# Altium PCB S6.PcbDoc (part 12 of 14)
Units mil, origin at the board's own origin, x right, y up, seen from the top; angles counter-clockwise.
Board outline 5250 x 2929.55 mil, 6 copper layers (Top Layer, Mid-Layer 2, Mid-Layer 4, Mid-Layer 3, Mid-Layer 1, Bottom Layer); 345 components, 365 nets, 2233 pads, 960 vias.
Unrouted connection lines stored in the file: 1.
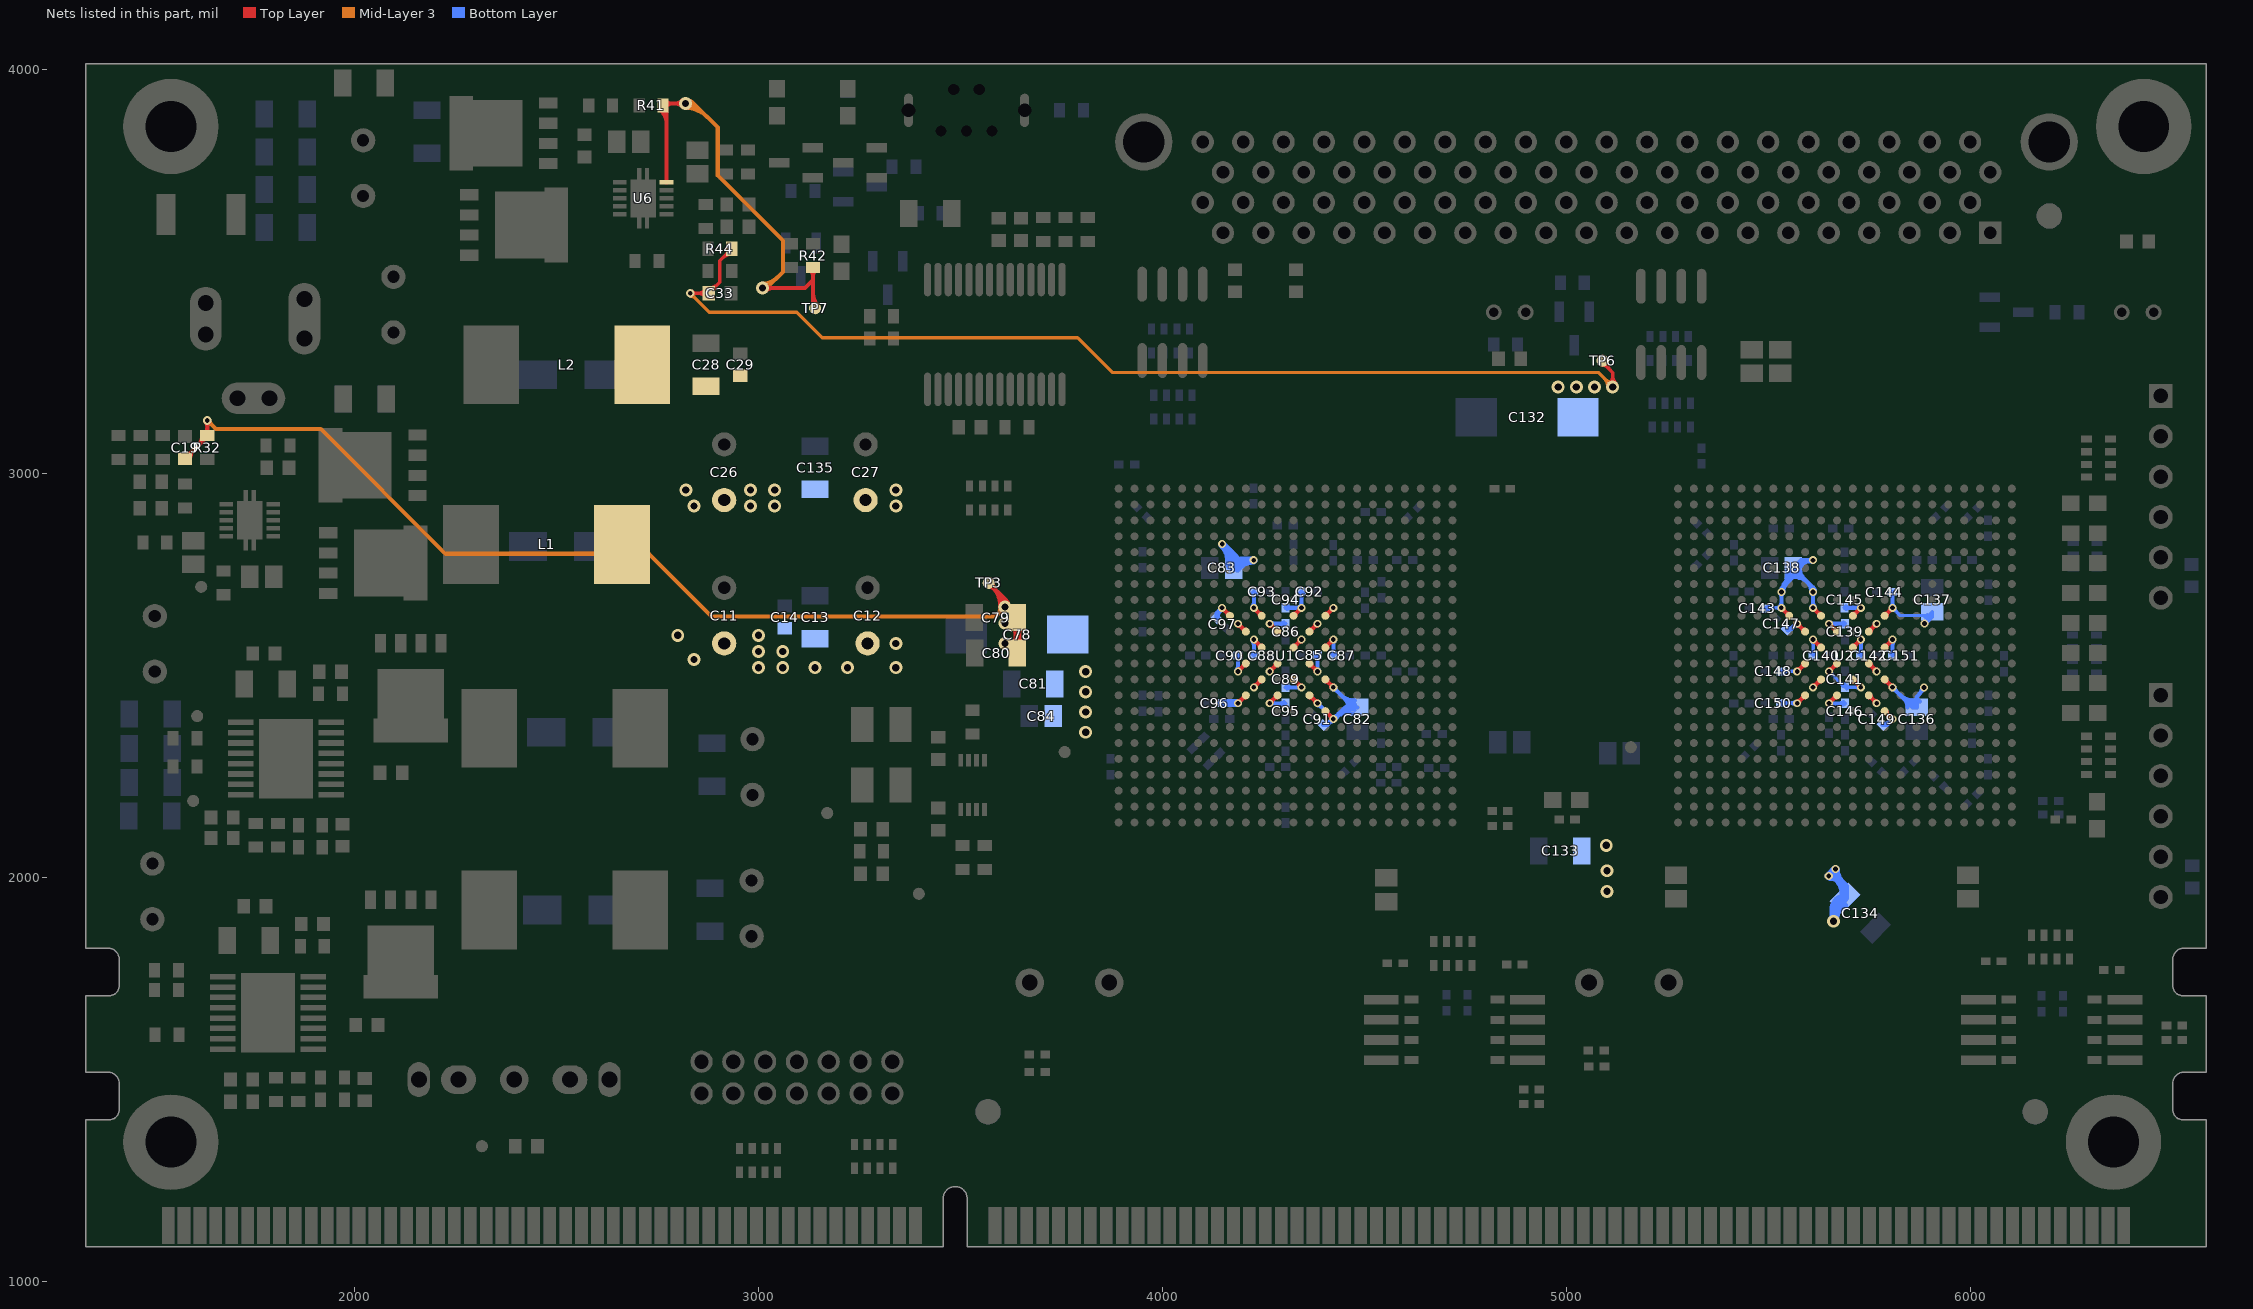
[diagram p16: the nets of this part, all layers, seen from the top]

## Via types
v1: diameter 19.68, hole 11.81, Top Layer to Bottom Layer, tented both sides, 469 vias
v2: diameter 32, hole 18, Top Layer to Bottom Layer, tented both sides, 257 vias
v3: diameter 22, hole 12, Top Layer to Bottom Layer, tented both sides, 185 vias
v4: diameter 25.59, hole 12.99, Top Layer to Bottom Layer, tented bottom, 16 vias
v5: diameter 50, hole 28, Top Layer to Bottom Layer, tented both sides, 15 vias
v6: diameter 23.62, hole 11.81, Top Layer to Bottom Layer, tented bottom, 10 vias
v7: diameter 20, hole 12, Top Layer to Bottom Layer, tented both sides, 5 vias
v8: diameter 21.65, hole 11.81, Top Layer to Bottom Layer, tented both sides, 2 vias
v9: diameter 39.37, hole 39.37, Top Layer to Bottom Layer, 1 vias

## Nets (pads, with @x,y where several pads share a name; then routed paths per layer and width w, separated by ;. In a path a pad name is that pad's centre, name@x,y a point inside that pad or via, vN(x,y) a via of type N, cw(c..) or ccw(c..) an arc to the next point about the centre after c; other vN are vias at no path point) (continued)
VCCINT1V2_A: C11.1 C12.1 C13.2 C14.2 C19.2 C78.1 C79.2 C80.2 C81.2 C82.2 C83.2 C84.2 C85.2 C86.2 C87.2 C88.2 C89.2 C90.2 C91.2 C92.2 C93.2 C94.2 C95.2 C96.2 C97.2 L1.2 R32.1 TP3.1 U1.J8 U1.J10 U1.J12 U1.J14 U1.K9 U1.K11 U1.K13 U1.L10 U1.L12 U1.L14 U1.M9 U1.M11 U1.M13 U1.N10 U1.N12 U1.N14 U1.P9 U1.P11 U1.P13 U1.R14 | length 6019.2
  Top Layer w10: C19.2@1580,3037.44 1635,3092.44 R32.1@1635,3094.53 v8(1635,3132) ; C19.2@1581.97,3048.19 ccw(c1581.97,3069.38) 1596.96,3054.4 ; C19.2@1592.72,3037.44 cw(c1623.42,3037.44) 1601.71,3059.15 ; 1611.82,3069.26 ccw(c1586.55,3094.53) R32.1@1622.28,3094.53 ; R32.1@1628.79,3100.74 ccw(c1613.8,3115.72) 1635,3115.72 ccw(c1656.2,3115.72) R32.1@1641.21,3100.74 ; v8@1630.88,3127.88 cw(c1620.93,3117.93) 1635,3117.93 cw(c1649.07,3117.93) v8@1639.12,3127.88 ; TP3.1@3570,2720 cw(c3570,2695.86) 3587.07,2712.93 cw(c3604.14,2730) TP3.1@3580,2730 ; TP3.1@3570,2730 3610,2690 ; TP3.1@3577.08,2722.92 cw(c3524.16,2670) v2@3599,2670 ; 3594.15,2705.85 cw(c3558.3,2670) v2@3609,2670 ; v2@3604.11,2679.29 ccw(c3597.32,2690) 3610,2690 ; v2(3610,2670) 3610,2690 ; 3611.22,2688.78 cw(c3592.44,2670) C79.2@3619,2670 ; v2@3615.89,2679.29 cw(c3622.68,2690) 3610,2690 ; v1@4147.52,2663.27 cw(c4147.52,2651.58) 4155.79,2659.84 cw(c4164.05,2668.11) v1@4152.36,2668.11 ; v1(4147.52,2668.11) U1.J8@4167.2,2648.43 ; U1.J8@4162.36,2648.43 ccw(c4150.67,2648.43) 4158.94,2656.69 ccw(c4167.2,2664.96) U1.J8@4167.2,2653.27 ; v1(4186.89,2431.89) U1.P9@4206.57,2451.57 ; v1@4186.89,2436.73 ccw(c4186.89,2448.42) 4195.16,2440.16 ccw(c4203.42,2431.89) v1@4191.73,2431.89 ; v1(4186.89,2510.63) U1.M9@4206.57,2530.32 ; v1@4186.89,2515.47 ccw(c4186.89,2527.16) 4195.16,2518.9 ccw(c4203.42,2510.63) v1@4191.73,2510.63 ; v1@4186.89,2623.9 cw(c4186.89,2612.21) 4195.16,2620.47 cw(c4203.42,2628.74) v1@4191.73,2628.74 ; v1(4186.89,2628.74) U1.K9@4206.57,2609.06 ; U1.P9@4201.73,2451.57 cw(c4190.04,2451.57) 4198.31,2443.31 cw(c4206.57,2435.04) U1.P9@4206.57,2446.73 ; U1.M9@4201.73,2530.32 cw(c4190.04,2530.32) 4198.31,2522.05 cw(c4206.57,2513.78) U1.M9@4206.57,2525.47 ; U1.K9@4201.73,2609.06 ccw(c4190.04,2609.06) 4198.31,2617.32 ccw(c4206.57,2625.59) U1.K9@4206.57,2613.9 ; v1(4226.26,2471.26) U1.N10@4245.94,2490.95 ; v1@4226.26,2476.1 ccw(c4226.26,2487.79) 4234.53,2479.53 ccw(c4242.79,2471.26) v1@4231.1,2471.26 ; v1@4226.26,2584.53 cw(c4226.26,2572.84) 4234.53,2581.1 cw(c4242.79,2589.37) v1@4231.1,2589.37 ; v1(4226.26,2589.37) U1.L10@4245.94,2569.69 ; v1@4226.26,2663.27 cw(c4226.26,2651.58) 4234.53,2659.84 cw(c4242.79,2668.11) v1@4231.1,2668.11 ; v1(4226.26,2668.11) U1.J10@4245.94,2648.43 ; U1.N10@4241.1,2490.95 cw(c4229.41,2490.95) 4237.68,2482.68 cw(c4245.94,2474.41) U1.N10@4245.94,2486.1 ; U1.L10@4241.1,2569.69 ccw(c4229.41,2569.69) 4237.68,2577.95 ccw(c4245.94,2586.22) U1.L10@4245.94,2574.53 ; U1.J10@4241.1,2648.43 ccw(c4229.41,2648.43) 4237.68,2656.69 ccw(c4245.94,2664.96) U1.J10@4245.94,2653.27 ; v1(4265.63,2431.89) U1.P11@4285.31,2451.57 ; v1@4265.63,2436.73 ccw(c4265.63,2448.42) 4273.9,2440.16 ccw(c4282.16,2431.89) v1@4270.47,2431.89 ; v1(4265.63,2510.63) U1.M11@4285.31,2530.32 ; v1@4265.63,2515.47 ccw(c4265.63,2527.16) 4273.9,2518.9 ccw(c4282.16,2510.63) v1@4270.47,2510.63 ; v1@4265.63,2623.9 cw(c4265.63,2612.21) 4273.9,2620.47 cw(c4282.16,2628.74) v1@4270.47,2628.74 ; v1(4265.63,2628.74) U1.K11@4285.31,2609.06 ; U1.P11@4280.47,2451.57 cw(c4268.78,2451.57) 4277.05,2443.31 cw(c4285.31,2435.04) U1.P11@4285.31,2446.73 ; U1.M11@4280.47,2530.32 cw(c4268.78,2530.32) 4277.05,2522.05 cw(c4285.31,2513.78) U1.M11@4285.31,2525.47 ; U1.K11@4280.47,2609.06 ccw(c4268.78,2609.06) 4277.05,2617.32 ccw(c4285.31,2625.59) U1.K11@4285.31,2613.9 ; U1.N12@4324.69,2486.1 cw(c4324.69,2474.41) 4332.95,2482.68 cw(c4341.22,2490.95) U1.N12@4329.53,2490.95 ; U1.N12@4324.69,2490.95 v1(4344.37,2471.26) ; U1.L12@4324.69,2569.69 v1(4344.37,2589.37) ; U1.L12@4324.69,2574.53 ccw(c4324.69,2586.22) 4332.95,2577.95 ccw(c4341.22,2569.69) U1.L12@4329.53,2569.69 ; U1.J12@4324.69,2648.43 v1(4344.37,2668.11) ; U1.J12@4324.69,2653.27 ccw(c4324.69,2664.96) 4332.95,2656.69 ccw(c4341.22,2648.43) U1.J12@4329.53,2648.43 ; v1@4339.53,2471.26 ccw(c4327.84,2471.26) 4336.1,2479.53 ccw(c4344.37,2487.79) v1@4344.37,2476.1 ; v1@4339.53,2589.37 cw(c4327.84,2589.37) 4336.1,2581.1 cw(c4344.37,2572.84) v1@4344.37,2584.53 ; v1@4339.53,2668.11 cw(c4327.84,2668.11) 4336.1,2659.84 cw(c4344.37,2651.58) v1@4344.37,2663.27 ; U1.P13@4364.06,2446.73 cw(c4364.06,2435.04) 4372.32,2443.31 cw(c4380.59,2451.57) U1.P13@4368.9,2451.57 ; U1.P13@4364.06,2451.57 v1(4383.74,2431.89) ; U1.M13@4364.06,2525.47 cw(c4364.06,2513.78) 4372.32,2522.05 cw(c4380.59,2530.32) U1.M13@4368.9,2530.32 ; U1.M13@4364.06,2530.32 v1(4383.74,2510.63) ; U1.K13@4364.06,2609.06 v1(4383.74,2628.74) ; U1.K13@4364.06,2613.9 ccw(c4364.06,2625.59) 4372.32,2617.32 ccw(c4380.59,2609.06) U1.K13@4368.9,2609.06 ; v1@4378.9,2431.89 ccw(c4367.21,2431.89) 4375.47,2440.16 ccw(c4383.74,2448.42) v1@4383.74,2436.73 ; v1@4378.9,2510.63 ccw(c4367.21,2510.63) 4375.47,2518.9 ccw(c4383.74,2527.16) v1@4383.74,2515.47 ; v1@4378.9,2628.74 cw(c4367.21,2628.74) 4375.47,2620.47 cw(c4383.74,2612.21) v1@4383.74,2623.9 ; U1.R14@4403.43,2407.36 cw(c4403.43,2395.67) 4411.69,2403.94 cw(c4419.96,2412.2) U1.R14@4408.27,2412.2 ; U1.R14@4403.43,2412.2 v1(4423.11,2392.52) ; U1.N14@4403.43,2486.1 cw(c4403.43,2474.41) 4411.69,2482.68 cw(c4419.96,2490.95) U1.N14@4408.27,2490.95 ; U1.N14@4403.43,2490.95 v1(4423.11,2471.26) ; U1.L14@4403.43,2569.69 v1(4423.11,2589.37) ; U1.L14@4403.43,2574.53 ccw(c4403.43,2586.22) 4411.69,2577.95 ccw(c4419.96,2569.69) U1.L14@4408.27,2569.69 ; U1.J14@4403.43,2648.43 v1(4423.11,2668.11) ; U1.J14@4403.43,2653.27 ccw(c4403.43,2664.96) 4411.69,2656.69 ccw(c4419.96,2648.43) U1.J14@4408.27,2648.43 ; v1@4418.27,2392.52 ccw(c4406.58,2392.52) 4414.84,2400.79 ccw(c4423.11,2409.05) v1@4423.11,2397.36 ; v1@4418.27,2471.26 ccw(c4406.58,2471.26) 4414.84,2479.53 ccw(c4423.11,2487.79) v1@4423.11,2476.1 ; v1@4418.27,2589.37 cw(c4406.58,2589.37) 4414.84,2581.1 cw(c4423.11,2572.84) v1@4423.11,2584.53 ; v1@4418.27,2668.11 cw(c4406.58,2668.11) 4414.84,2659.84 cw(c4423.11,2651.58) v1@4423.11,2663.27
  Top Layer w20: C79.2@3631.91,2623.95 cw(c3609.6,2601.64) 3641.15,2601.64 ; C80.2@3632.91,2576.05 ccw(c3613.02,2595.95) 3641.15,2595.95 ccw(c3669.28,2595.95) C80.2@3649.39,2576.05 ; C80.2@3641.15,2556 C79.2@3641.15,2643 ; 3641.15,2606.47 cw(c3665.87,2606.47) C79.2@3648.39,2623.95
  Mid-Layer 3 w10: v8@1635,3126.17 cw(c1635,3112.11) 1644.95,3122.05 cw(c1654.89,3132) v8@1640.83,3132 ; v8(1635,3132) 1656,3111 1916,3111 2225,2802 2729,2802 2884,2647 3587,2647 v2(3610,2670) ; v2@3599,2670 cw(c3572.44,2670) 3591.22,2651.22 cw(c3610,2632.44) v2@3610,2659
  Bottom Layer w10: C97.2@4134.08,2641.92 4134.08,2654.67 v1(4147.52,2668.11) ccw(c4171.64,2643.99) C97.2@4137.53,2643.4 ; v1@4142.68,2668.11 cw(c4130.99,2668.11) 4139.25,2659.84 cw(c4147.52,2651.58) v1@4147.52,2663.27 ; v1@4142.84,2666.86 cw(c4131.55,2663.83) 4141.67,2657.99 cw(c4151.8,2652.14) v1@4148.77,2663.43 ; C90.2@4183.26,2546.58 cw(c4174.5,2537.82) 4186.89,2537.82 ; v1@4183.46,2514.05 ccw(c4175.2,2522.32) 4186.89,2522.32 ccw(c4198.58,2522.32) v1@4190.31,2514.05 ; C90.2@4186.69,2550 4186.89,2549.8 v1(4186.89,2510.63) ; 4186.89,2538.8 cw(c4197.88,2538.8) C90.2@4190.11,2546.58 ; v1@4222.83,2585.95 cw(c4214.43,2577.55) 4226.31,2577.55 ; v1@4222.83,2671.54 ccw(c4214.43,2679.94) 4226.31,2679.94 ; C88.2@4222.89,2553.42 ccw(c4214.62,2561.69) 4226.31,2561.69 ccw(c4238.01,2561.69) C88.2@4229.74,2553.42 ; C93.2@4222.89,2704.58 cw(c4214.62,2696.31) 4226.31,2696.31 cw(c4238.01,2696.31) C93.2@4229.74,2704.58 ; v1(4226.26,2589.37) 4226.31,2589.32 C88.2@4226.31,2550 ; v1(4226.26,2668.11) 4226.31,2668.17 C93.2@4226.31,2708 ; 4226.31,2577.82 cw(c4237.81,2577.82) v1@4229.68,2585.95 ; 4226.31,2679.67 ccw(c4237.81,2679.67) v1@4229.68,2671.54 ; v1(4265.63,2431.89) 4265.83,2431.69 C95.2@4305,2431.69 ; v1(4265.63,2628.74) 4265.69,2628.69 C86.2@4305,2628.69 ; v1@4269.05,2428.46 cw(c4276.83,2420.69) 4276.83,2431.69 ; v1@4269.05,2435.31 ccw(c4277.81,2444.07) 4277.81,2431.69 ; v1@4269.05,2625.32 cw(c4277.18,2617.19) 4277.18,2628.69 ; v1@4269.05,2632.17 ccw(c4277.46,2640.57) 4277.46,2628.69 ; C95.2@4301.58,2428.26 ccw(c4293.31,2419.99) 4293.31,2431.69 ccw(c4293.31,2443.38) C95.2@4301.58,2435.11 ; C86.2@4301.58,2625.26 ccw(c4293.31,2616.99) 4293.31,2628.69 ccw(c4293.31,2640.38) C86.2@4301.58,2632.11 ; C89.2@4305,2471.31 4344.32,2471.31 v1(4344.37,2471.26) ; C94.2@4305,2668.31 v1@4344.17,2668.31 ; C89.2@4308.42,2467.89 cw(c4316.69,2459.62) 4316.69,2471.31 cw(c4316.69,2483.01) C89.2@4308.42,2474.74 ; C94.2@4308.42,2664.89 cw(c4316.69,2656.62) 4316.69,2668.31 cw(c4316.69,2680.01) C94.2@4308.42,2671.74 ; 4332.19,2668.31 cw(c4332.19,2655.93) v1@4340.95,2664.69 ; 4332.55,2471.31 cw(c4332.55,2459.43) v1@4340.95,2467.83 ; 4332.82,2471.31 ccw(c4332.82,2482.81) v1@4340.95,2474.68 ; 4333.17,2668.31 ccw(c4333.17,2679.31) 4340.95,2671.54 ccw(c4332.82,2679.67) 4344.31,2679.67 ; C92.2@4340.89,2704.58 cw(c4332.62,2696.31) 4344.31,2696.31 cw(c4356.01,2696.31) C92.2@4347.74,2704.58 ; 4344.31,2679.94 ccw(c4356.2,2679.94) v1@4347.8,2671.54 ; C92.2@4344.31,2708 4344.31,2668.46 v1@4344.17,2668.31 ; v1(4344.37,2668.11) v1@4344.17,2668.31 ; C85.2@4380.26,2547.58 cw(c4371.99,2539.31) 4383.69,2539.31 cw(c4395.38,2539.31) C85.2@4387.11,2547.58 ; v1@4380.32,2514.05 ccw(c4372.19,2522.18) 4383.69,2522.18 ; 4383.69,2522.45 ccw(c4395.57,2522.45) v1@4387.17,2514.05 ; C85.2@4383.69,2551 4383.69,2510.68 v1(4383.74,2510.63) ; v1@4383.74,2427.05 cw(c4383.74,2415.36) 4392.01,2423.62 cw(c4400.27,2431.89) v1@4388.58,2431.89 ; v1(4383.74,2431.89) v1(4423.11,2392.52) ; C91.2@4397.92,2378.08 4408.67,2378.08 v1(4423.11,2392.52) ; C91.2@4399.31,2381.53 ccw(c4399.31,2412.46) v1@4421.18,2390.59 ; 4411.86,2385.21 ccw(c4404.81,2397.42) v1@4418.43,2393.77 ; 4414.82,2386.91 cw(c4419.46,2378.88) v1@4421.86,2387.84 ; v1@4419.69,2585.95 cw(c4410.93,2577.19) 4423.31,2577.19 ; C87.2@4419.89,2553.42 ccw(c4411.62,2561.69) 4423.31,2561.69 ccw(c4435.01,2561.69) C87.2@4426.74,2553.42 ; v1@4423.11,2387.68 ccw(c4423.11,2375.99) 4414.84,2384.25 ccw(c4406.58,2392.52) 4418.27,2392.52 ccw(c4406.58,2392.52) 4414.84,2400.79 ccw(c4423.11,2409.05) 4423.11,2397.36 ccw(c4423.11,2409.05) 4431.38,2400.79 ccw(c4439.64,2392.52) v1@4427.95,2392.52 ; v1@4423.11,2466.42 cw(c4423.11,2454.73) 4431.38,2462.99 cw(c4439.64,2471.26) v1@4427.95,2471.26 ; v1(4423.11,2471.26) C82.2@4472.84,2421.53 ; v1(4423.11,2589.37) 4423.31,2589.17 C87.2@4423.31,2550 ; 4423.31,2578.17 cw(c4434.31,2578.17) v1@4426.54,2585.95 ; v1@4424.36,2397.2 ccw(c4427.39,2408.49) 4433.23,2398.36 ccw(c4439.08,2388.24) v1@4427.79,2391.27 ; 4435.21,2404.61 cw(c4464.24,2375.58) C82.2@4475.3,2415.12 ; 4441.41,2452.96 ccw(c4477.09,2488.65) C82.2@4477.09,2438.18 ; 4447.3,2416.71 cw(c4469.53,2394.48) C82.2@4478,2424.75 ; 4451.67,2442.7 cw(c4430.5,2421.53) C82.2@4460.44,2421.53 ; C82.2@4458.48,2435.89 ccw(c4477.09,2454.51) C82.2@4477.09,2428.18 ; C82.2@4461.72,2415.13 ccw(c4452.12,2411.13) 4452.12,2421.53 ; C82.2@4461.72,2427.93 cw(c4452.12,2431.93) 4452.12,2421.53 ; C82.2@4472.61,2405.49 ccw(c4458.95,2356.68) v1(4423.11,2392.52) ; C82.2@4483,2421.53 C82.2@4472.84,2421.53 ; v1(4423.11,2392.52) 4452.12,2421.53 ; 4452.12,2421.53 C82.2@4472.84,2421.53
  Bottom Layer w20: C96.2@4147.69,2432 v1@4186.78,2432 ; C83.2@4165.02,2774.73 ccw(c4108.65,2783.64) 4149,2824 4176.53,2796.47 ; C83.2@4169.45,2782.17 ccw(c4158.53,2796.47) 4176.53,2796.47 ; 4176.76,2796.24 cw(c4156.59,2776.06) C83.2@4184.77,2771.6 ; C83.2@4183.6,2782.17 cw(c4194.53,2796.47) 4176.53,2796.47 ; C83.2@4185.74,2765.76 cw(c4225,2735.31) 4225,2785 4194.53,2785 C83.2@4176.53,2767 4176.53,2796.47
  other v1: 4226,2786 4148,2826
  other v2: 3810,2360 3810,2410 3810,2460 3810,2510 3000,2520 3060,2520 3140,2520 3220,2520 3340,2520 2840,2540 3000,2560 3060,2560 3340,2580 3610,2580 2800,2600 3000,2600 3610,2630
VCCINT1V2_B: C26.1 C27.1 C28.2 C29.2 C33.2 C132.1 C133.2 C134.2 C135.2 C136.2 C137.2 C138.2 C139.2 C140.2 C141.2 C142.2 C143.2 C144.2 C145.2 C146.2 C147.2 C148.2 C149.2 C150.2 C151.2 L2.2 R44.1 TP6.1 U2.J8 U2.J10 U2.J12 U2.J14 U2.K9 U2.K11 U2.K13 U2.L10 U2.L12 U2.L14 U2.M9 U2.M11 U2.M13 U2.N10 U2.N12 U2.N14 U2.P9 U2.P11 U2.P13 U2.R14 | length 7144.2
  Top Layer w8: v3(2831,3447) C33.2@2876.44,3447 2904,3474.56 2904,3527.47 R44.1@2933.53,3557 ; v3@2835.95,3442.05 cw(c2847.9,3430.1) 2847.9,3447 cw(c2847.9,3463.9) v3@2835.95,3451.95 ; C33.2@2868.13,3438.69 ccw(c2848.08,3418.64) 2848.08,3447 ccw(c2848.08,3475.36) C33.2@2868.13,3455.31 ; C33.2@2876.44,3460.72 ccw(c2876.44,3493.83) 2899.86,3470.42 ; C33.2@2888.19,3448.97 cw(c2911.8,3448.97) 2895.1,3465.66 ; 2910.11,3533.58 cw(c2933.53,3510.17) R44.1@2933.53,3543.28 ; 2919.62,3543.09 ccw(c2909.64,3553.06) R44.1@2923.75,3553.06 ; TP6.1@5085,3280 5115,3250 v2(5115,3215) ; TP6.1@5090,3269 cw(c5090,3254.51) 5100.24,3264.76 ; TP6.1@5093,3280 ccw(c5112.31,3280) 5098.66,3266.34 ; TP6.1@5101,3280 ccw(c5139.63,3280) 5112.31,3252.69 ; v2@5106.51,3223.49 ccw(c5086.03,3243.97) 5115,3243.97 ccw(c5143.97,3243.97) v2@5123.49,3223.49
  Top Layer w10: v1@5532.52,2663.27 cw(c5532.52,2651.58) 5540.79,2659.84 cw(c5549.05,2668.11) v1@5537.36,2668.11 ; v1(5532.52,2668.11) U2.J8@5552.2,2648.43 ; U2.J8@5547.36,2648.43 ccw(c5535.67,2648.43) 5543.94,2656.69 ccw(c5552.2,2664.96) U2.J8@5552.2,2653.27 ; v1(5571.89,2431.89) U2.P9@5591.57,2451.57 ; v1@5571.89,2436.73 ccw(c5571.89,2448.42) 5580.16,2440.16 ccw(c5588.42,2431.89) v1@5576.73,2431.89 ; v1(5571.89,2510.63) U2.M9@5591.57,2530.32 ; v1@5571.89,2515.47 ccw(c5571.89,2527.16) 5580.16,2518.9 ccw(c5588.42,2510.63) v1@5576.73,2510.63 ; v1@5571.89,2623.9 cw(c5571.89,2612.21) 5580.16,2620.47 cw(c5588.42,2628.74) v1@5576.73,2628.74 ; v1(5571.89,2628.74) U2.K9@5591.57,2609.06 ; U2.P9@5586.73,2451.57 cw(c5575.04,2451.57) 5583.31,2443.31 cw(c5591.57,2435.04) U2.P9@5591.57,2446.73 ; U2.M9@5586.73,2530.32 cw(c5575.04,2530.32) 5583.31,2522.05 cw(c5591.57,2513.78) U2.M9@5591.57,2525.47 ; U2.K9@5586.73,2609.06 ccw(c5575.04,2609.06) 5583.31,2617.32 ccw(c5591.57,2625.59) U2.K9@5591.57,2613.9 ; v1(5611.26,2471.26) U2.N10@5630.94,2490.95 ; v1@5611.26,2476.1 ccw(c5611.26,2487.79) 5619.53,2479.53 ccw(c5627.79,2471.26) v1@5616.1,2471.26 ; v1@5611.26,2584.53 cw(c5611.26,2572.84) 5619.53,2581.1 cw(c5627.79,2589.37) v1@5616.1,2589.37 ; v1(5611.26,2589.37) U2.L10@5630.94,2569.69 ; v1@5611.26,2663.27 cw(c5611.26,2651.58) 5619.53,2659.84 cw(c5627.79,2668.11) v1@5616.1,2668.11 ; v1(5611.26,2668.11) U2.J10@5630.94,2648.43 ; U2.N10@5626.1,2490.95 cw(c5614.41,2490.95) 5622.68,2482.68 cw(c5630.94,2474.41) U2.N10@5630.94,2486.1 ; U2.L10@5626.1,2569.69 ccw(c5614.41,2569.69) 5622.68,2577.95 ccw(c5630.94,2586.22) U2.L10@5630.94,2574.53 ; U2.J10@5626.1,2648.43 ccw(c5614.41,2648.43) 5622.68,2656.69 ccw(c5630.94,2664.96) U2.J10@5630.94,2653.27 ; v1(5650.63,2431.89) U2.P11@5670.31,2451.57 ; v1@5650.63,2436.73 ccw(c5650.63,2448.42) 5658.9,2440.16 ccw(c5667.16,2431.89) v1@5655.47,2431.89 ; v1(5650.63,2510.63) U2.M11@5670.31,2530.32 ; v1@5650.63,2515.47 ccw(c5650.63,2527.16) 5658.9,2518.9 ccw(c5667.16,2510.63) v1@5655.47,2510.63 ; v1@5650.63,2623.9 cw(c5650.63,2612.21) 5658.9,2620.47 cw(c5667.16,2628.74) v1@5655.47,2628.74 ; v1(5650.63,2628.74) U2.K11@5670.31,2609.06 ; U2.P11@5665.47,2451.57 cw(c5653.78,2451.57) 5662.05,2443.31 cw(c5670.31,2435.04) U2.P11@5670.31,2446.73 ; U2.M11@5665.47,2530.32 cw(c5653.78,2530.32) 5662.05,2522.05 cw(c5670.31,2513.78) U2.M11@5670.31,2525.47 ; U2.K11@5665.47,2609.06 ccw(c5653.78,2609.06) 5662.05,2617.32 ccw(c5670.31,2625.59) U2.K11@5670.31,2613.9 ; U2.N12@5709.69,2486.1 cw(c5709.69,2474.41) 5717.95,2482.68 cw(c5726.22,2490.95) U2.N12@5714.53,2490.95 ; U2.N12@5709.69,2490.95 v1(5729.37,2471.26) ; U2.L12@5709.69,2569.69 v1(5729.37,2589.37) ; U2.L12@5709.69,2574.53 ccw(c5709.69,2586.22) 5717.95,2577.95 ccw(c5726.22,2569.69) U2.L12@5714.53,2569.69 ; U2.J12@5709.69,2648.43 v1(5729.37,2668.11) ; U2.J12@5709.69,2653.27 ccw(c5709.69,2664.96) 5717.95,2656.69 ccw(c5726.22,2648.43) U2.J12@5714.53,2648.43 ; v1@5724.53,2471.26 ccw(c5712.84,2471.26) 5721.1,2479.53 ccw(c5729.37,2487.79) v1@5729.37,2476.1 ; v1@5724.53,2589.37 cw(c5712.84,2589.37) 5721.1,2581.1 cw(c5729.37,2572.84) v1@5729.37,2584.53 ; v1@5724.53,2668.11 cw(c5712.84,2668.11) 5721.1,2659.84 cw(c5729.37,2651.58) v1@5729.37,2663.27 ; U2.P13@5749.06,2446.73 cw(c5749.06,2435.04) 5757.32,2443.31 cw(c5765.59,2451.57) U2.P13@5753.9,2451.57 ; U2.P13@5749.06,2451.57 v1(5768.74,2431.89) ; U2.M13@5749.06,2525.47 cw(c5749.06,2513.78) 5757.32,2522.05 cw(c5765.59,2530.32) U2.M13@5753.9,2530.32 ; U2.M13@5749.06,2530.32 v1(5768.74,2510.63) ; U2.K13@5749.06,2609.06 v1(5768.74,2628.74) ; U2.K13@5749.06,2613.9 ccw(c5749.06,2625.59) 5757.32,2617.32 ccw(c5765.59,2609.06) U2.K13@5753.9,2609.06 ; v1@5763.9,2431.89 ccw(c5752.21,2431.89) 5760.47,2440.16 ccw(c5768.74,2448.42) v1@5768.74,2436.73 ; v1@5763.9,2510.63 ccw(c5752.21,2510.63) 5760.47,2518.9 ccw(c5768.74,2527.16) v1@5768.74,2515.47 ; v1@5763.9,2628.74 cw(c5752.21,2628.74) 5760.47,2620.47 cw(c5768.74,2612.21) v1@5768.74,2623.9 ; U2.R14@5788.43,2407.36 cw(c5788.43,2395.67) 5796.69,2403.94 cw(c5804.96,2412.2) U2.R14@5793.27,2412.2 ; U2.R14@5788.43,2412.2 v1(5808.11,2392.52) ; U2.N14@5788.43,2486.1 cw(c5788.43,2474.41) 5796.69,2482.68 cw(c5804.96,2490.95) U2.N14@5793.27,2490.95 ; U2.N14@5788.43,2490.95 v1(5808.11,2471.26) ; U2.L14@5788.43,2569.69 v1(5808.11,2589.37) ; U2.L14@5788.43,2574.53 ccw(c5788.43,2586.22) 5796.69,2577.95 ccw(c5804.96,2569.69) U2.L14@5793.27,2569.69 ; U2.J14@5788.43,2648.43 v1(5808.11,2668.11) ; U2.J14@5788.43,2653.27 ccw(c5788.43,2664.96) 5796.69,2656.69 ccw(c5804.96,2648.43) U2.J14@5793.27,2648.43 ; v1@5803.27,2392.52 ccw(c5791.58,2392.52) 5799.84,2400.79 ccw(c5808.11,2409.05) v1@5808.11,2397.36 ; v1@5803.27,2471.26 ccw(c5791.58,2471.26) 5799.84,2479.53 ccw(c5808.11,2487.79) v1@5808.11,2476.1 ; v1@5803.27,2589.37 cw(c5791.58,2589.37) 5799.84,2581.1 cw(c5808.11,2572.84) v1@5808.11,2584.53 ; v1@5803.27,2668.11 cw(c5791.58,2668.11) 5799.84,2659.84 cw(c5808.11,2651.58) v1@5808.11,2663.27
  Mid-Layer 3 w8: v3@2831,3440 cw(c2831,3423.1) 2842.95,3435.05 cw(c2854.9,3447) v3@2838,3447 ; v3(2831,3447) 2878,3400 3095,3400 3158,3337 3790,3337 3876,3251 5079,3251 v2(5115,3215) ; v2@5103,3215 ccw(c5074.03,3215) 5094.51,3235.49 ccw(c5115,3255.97) v2@5115,3227
  Bottom Layer w8: C143.2@5492.69,2667 5493.8,2668.11 v1(5532.52,2668.11) ; C143.2@5498.78,2662.87 cw(c5511.44,2650.21) 5511.44,2668.11 ; C143.2@5498.78,2671.13 ccw(c5506.08,2678.42) 5506.08,2668.11 ; v1@5528.39,2663.98 ccw(c5518.41,2654.01) 5518.41,2668.11 ccw(c5518.41,2682.22) v1@5528.39,2672.24 ; C148.2@5532.69,2511 5571.52,2511 v1(5571.89,2510.63) ; C148.2@5538.78,2506.87 cw(c5548.76,2496.89) 5548.76,2511 cw(c5548.76,2525.1) C148.2@5538.78,2515.13 ; C147.2@5545.92,2615.08 5558.23,2615.08 v1(5571.89,2628.74) cw(c5549.5,2651.13) C147.2@5547.65,2619.52 ; C147.2@5547.19,2611.53 ccw(c5548.11,2627.31) 5559.29,2616.14 ; 5556.89,2511 cw(c5556.89,2495.63) v1@5567.76,2506.5 ; 5558.68,2511 ccw(c5558.68,2523.84) v1@5567.76,2514.76 ; v1@5566.05,2628.74 cw(c5551.94,2628.74) 5561.92,2618.77 cw(c5571.89,2608.79) v1@5571.89,2622.9 ; v1@5566.25,2630.25 cw(c5552.62,2633.9) 5559.67,2621.69 cw(c5566.73,2609.47) v1@5570.38,2623.1 ; v1@5607.13,2585.24 cw(c5597.02,2575.13) 5611.31,2575.13 ; C140.2@5607.18,2554.13 ccw(c5597.21,2564.11) 5611.31,2564.11 ccw(c5625.42,2564.11) C140.2@5615.45,2554.13 ; v1(5611.26,2589.37) 5611.31,2589.32 C140.2@5611.31,2550 ; 5611.31,2575.4 cw(c5625.23,2575.4) v1@5615.39,2585.24 ; v1@5650.63,2504.79 cw(c5650.63,2490.68) 5660.6,2500.66 cw(c5670.58,2510.63) v1@5656.47,2510.63 ; v1(5650.63,2510.63) 5689.94,2471.31 C141.2@5690,2471.31 5729.32,2471.31 v1(5729.37,2471.26) ; 5676.57,2484.69 ccw(c5690,2498.12) C141.2@5690,2479.13 ; C141.2@5681.46,2479.8 cw(c5674.94,2473.28) C141.2@5684.16,2473.28 ; C141.2@5694.13,2467.18 cw(c5704.1,2457.21) 5704.1,2471.31 cw(c5704.1,2485.42) C141.2@5694.13,2475.45 ; 5715.13,2471.31 cw(c5715.13,2457.02) v1@5725.24,2467.13 ; 5715.4,2471.31 ccw(c5715.4,2485.23) v1@5725.24,2475.39 ; v1@5808.11,2662.27 cw(c5808.11,2648.16) 5818.08,2658.14 cw(c5828.06,2668.11) v1@5813.95,2668.11 ; v1(5808.11,2668.11) 5827.22,2649 5897.27,2649 C137.2@5906.54,2658.27 5906.54,2644.54 5888,2626 ccw(c5878.03,2635.97) C137.2@5888.07,2645.87 ; v1@5886.85,2634.84 ccw(c5886.85,2658.96) C137.2@5903.91,2641.91 ; v1@5887.59,2634.8 ccw(c5889,2645.85) C137.2@5898.65,2640.28 ; v1@5893.69,2631.69 ccw(c5883.77,2641.62) C137.2@5893.76,2651.49
  Bottom Layer w10: v1@5529.09,2671.54 ccw(c5520.83,2679.8) 5532.52,2679.8 ccw(c5544.21,2679.8) v1@5535.94,2671.54 ; v1@5529.58,2703.58 cw(c5522.47,2696.47) 5532.52,2696.47 ; C150.2@5531.69,2432 v1@5571.78,2432 ; v1(5532.52,2668.11) v1@5532.52,2715.52 ; 5532.52,2694.15 cw(c5545.85,2694.15) v1@5536.42,2703.58 ; C150.2@5537.08,2428.58 cw(c5545.34,2420.31) 5545.34,2432 cw(c5545.34,2443.69) C150.2@5537.08,2435.42 ; v1@5537.68,2708.25 cw(c5564.39,2715.41) 5540.44,2729.24 ; v1@5537.84,2707 cw(c5571.26,2707) 5547.63,2730.63 ; C138.2@5546.11,2758.28 cw(c5498.01,2750.03) v1@5532.52,2715.52 ; 5546.18,2729.18 ccw(c5521.33,2754.03) C138.2@5555.97,2759.97 ; 5559.93,2432 cw(c5559.93,2419.93) v1@5568.46,2428.46 ; 5560.47,2432 ccw(c5560.47,2443.31) v1@5568.46,2435.31 ; C138.2@5562.53,2744.44 cw(c5562.53,2689.98) 5601.04,2728.49 ; C138.2@5562.53,2754.44 cw(c5562.53,2724.12) C138.2@5583.97,2745.56 ; C138.2@5568.52,2770 cw(c5594.04,2757.64) 5594.04,2786 ; C138.2@5577.51,2765.64 cw(c5610,2749.9) 5610,2786 5581.53,2786 C138.2@5562.53,2767 ; C138.2@5579.18,2761.09 ccw(c5605.13,2761.09) 5586.78,2742.75 ; 5594.58,2734.95 cw(c5566.64,2707) v1@5606.16,2707 ; 5599.04,2783.06 cw(c5602.29,2770.91) v1@5608.58,2781.81 ; 5600.25,2783.39 ccw(c5597.45,2793.82) v1@5606.81,2788.42 ; v1@5607.58,2703.58 cw(c5598.68,2694.68) 5611.26,2694.68 ; v1@5607.58,2782.58 ccw(c5599.31,2774.31) 5599.31,2786 ccw(c5599.31,2797.69) v1@5607.58,2789.42 ; v1@5607.8,2710.64 ccw(c5601.11,2718.27) 5611.26,2718.27 ; v1@5607.83,2671.54 ccw(c5599.57,2679.8) 5611.26,2679.8 ccw(c5622.95,2679.8) v1@5614.68,2671.54 ; v1(5611.26,2668.11) 5611.26,2718.27 ; 5611.26,2695.93 cw(c5622.07,2695.93) v1@5614.42,2703.58 ; 5611.26,2718.07 ccw(c5622.07,2718.07) v1@5614.42,2710.42 ; 5611.65,2717.87 cw(c5600.78,2707) v1@5616.16,2707 ; v1(5650.63,2431.89) 5650.83,2431.69 C146.2@5690,2431.69 ; v1(5650.63,2628.74) 5650.69,2628.69 C139.2@5690,2628.69 ; v1@5654.05,2428.46 cw(c5661.83,2420.69) 5661.83,2431.69 ; v1@5654.05,2435.31 ccw(c5662.81,2444.07) 5662.81,2431.69 ; v1@5654.05,2625.32 cw(c5662.18,2617.19) 5662.18,2628.69 ; v1@5654.05,2632.17 ccw(c5662.46,2640.57) 5662.46,2628.69 ; C146.2@5686.58,2428.26 ccw(c5678.31,2419.99) 5678.31,2431.69 ccw(c5678.31,2443.38) C146.2@5686.58,2435.11 ; C139.2@5686.58,2625.26 ccw(c5678.31,2616.99) 5678.31,2628.69 ccw(c5678.31,2640.38) C139.2@5686.58,2632.11 ; C145.2@5689,2668.31 5729.17,2668.31 v1(5729.37,2668.11) ; C145.2@5692.42,2664.89 cw(c5700.69,2656.62) 5700.69,2668.31 cw(c5700.69,2680.01) C145.2@5692.42,2671.74 ; 5717.19,2668.31 cw(c5717.19,2655.93) v1@5725.95,2664.69 ; 5718.17,2668.31 ccw(c5718.17,2679.31) v1@5725.95,2671.54 ; C142.2@5725.89,2553.42 ccw(c5717.49,2561.83) 5729.37,2561.83 ; v1@5725.95,2585.95 cw(c5717.68,2577.68) 5729.37,2577.68 cw(c5741.06,2577.68) v1@5732.8,2585.95 ; C142.2@5729.31,2550 5729.37,2550.06 v1(5729.37,2589.37) ; 5729.37,2561.56 ccw(c5740.87,2561.56) C142.2@5732.74,2553.42 ; C149.2@5782.92,2378.08 5793.67,2378.08 v1(5808.11,2392.52) ; C149.2@5784.31,2381.53 ccw(c5784.31,2412.46) v1@5806.18,2390.59 ; 5796.86,2385.21 ccw(c5789.81,2397.42) v1@5803.43,2393.77 ; 5799.82,2386.91 cw(c5804.46,2378.88) v1@5806.86,2387.84 ; v1@5803.27,2392.52 cw(c5791.58,2392.52) 5799.84,2384.25 cw(c5808.11,2375.99) v1@5808.11,2387.68 ; C144.2@5804.26,2703.58 cw(c5795.99,2695.31) 5807.69,2695.31 cw(c5819.38,2695.31) C144.2@5811.11,2703.58 ; v1@5804.69,2585.95 cw(c5795.93,2577.19) 5808.31,2577.19 ; v1@5804.69,2671.54 ccw(c5797.45,2678.77) 5807.69,2678.77 ; C151.2@5804.89,2553.42 ccw(c5796.62,2561.69) 5808.31,2561.69 ccw(c5820.01,2561.69) C151.2@5811.74,2553.42 ; v1@5807.69,2668.54 C144.2@5807.69,2707 ; 5807.69,2680.83 ccw(c5820.83,2680.83) v1@5811.54,2671.54 ; v1@5808.11,2466.42 cw(c5808.11,2454.73) 5816.38,2462.99 cw(c5824.64,2471.26) v1@5812.95,2471.26 ; v1(5808.11,2471.26) 5857.84,2421.53 C136.2@5868,2421.53 5868,2449 ; v1(5808.11,2589.37) 5808.31,2589.17 C151.2@5808.31,2550 ; 5808.31,2578.17 cw(c5819.31,2578.17) v1@5811.54,2585.95 ; 5826.41,2452.96 ccw(c5862.09,2488.65) C136.2@5862.09,2438.18 ; 5836.67,2442.7 cw(c5815.5,2421.53) C136.2@5845.44,2421.53 ; C136.2@5843.48,2435.89 ccw(c5862.09,2454.51) C136.2@5862.09,2428.18 ; C136.2@5860.3,2436.29 ccw(c5853.67,2449) 5868,2449 ; 5874.9,2455.9 ccw(c5859.81,2471) v1@5881.16,2471 ; C136.2@5875.7,2436.29 cw(c5882.33,2449) 5868,2449 ; v1@5887,2468 5868,2449 ; v1@5532.52,2715.52 5562.53,2745.53 C138.2@5562.53,2767 ; C138.2@5562.53,2767 5611.26,2718.27
  Bottom Layer w20: v2@5659,1897.2 ccw(c5650.02,1912.75) 5667.37,1908.1 ; v2@5662,1888.07 cw(c5710.76,1888.07) C134.2@5687.6,1930.98 ; v2(5662,1892) 5662,1921.16 C134.2@5690.42,1949.58 5690.42,1978.58 5664,2005 ; 5662,1921.59 cw(c5692.67,1921.59) C134.2@5678.1,1948.58 ; 5670.18,1998.82 cw(c5629.29,1957.93) C134.2@5687.12,1957.93 ; 5675.61,1993.39 ccw(c5650,1967.79) v7(5650,2004) ; 5680.44,1988.56 cw(c5712.87,2021) v7(5667,2021) ; v7(5650,2004) ccw(c5656.42,2012.58) 5664,2005 ; v7(5650,2004) 5663,2004 ; v7(5650,2004) v7(5667,2021) ; 5663,2004 ccw(c5651.27,2015.73) v7(5667,2021) ; 5663,2004 5664,2005 ; 5664,2005 ccw(c5653.81,2015.19) v7(5667,2021)
  other v1: 5886,2471 5886.85,2629 5533,2707 5611,2707 5611,2786
  other v2: 5101,1966 5101,2017 5099,2080 2840,2920 2980,2920 3040,2920 3340,2920 2820,2960 2980,2960 3040,2960 3340,2960 4980,3215 5025,3215 5070,3215
VCCINT2_PG: R41.1 R42.2 TP7.1 U6.5 | length 1530.8
  Top Layer w10: R41.1@2757.32,3901.85 cw(c2721.71,3866.24) 2772.07,3866.24 ; R41.1@2764.39,3908.93 cw(c2745.85,3890.38) 2772.07,3890.38 ; R41.1@2769.74,3909.73 cw(c2787.29,3892.17) 2787.29,3917 ; R41.1@2769.74,3922.14 ccw(c2782.16,3934.57) 2782.16,3917 ; U6.5@2772.07,3721.37 2772.07,3903.46 R41.1@2763.53,3912 2768.53,3917 v2(2819,3917) ; v2@2811.22,3909.22 ccw(c2792.44,3890.44) 2792.44,3917 ccw(c2792.44,3943.56) v2@2811.22,3924.78 ; v2(3010,3460) 3115,3460 3135,3480 ; v2@3017.78,3452.22 cw(c3036.56,3433.44) 3036.56,3460 cw(c3036.56,3486.56) v2@3017.78,3467.78 ; R42.2@3128.79,3504.26 cw(c3113.8,3489.28) 3135,3489.28 cw(c3156.2,3489.28) R42.2@3141.21,3504.26 ; 3135,3446.21 ccw(c3176.21,3446.21) TP7.1@3147.07,3417.07 ; R42.2@3135,3510.47 3135,3480 ; TP7.1@3140,3410 3135,3415 3135,3480
  Mid-Layer 3 w10: v2@2819,3906 cw(c2819,3831.16) 2871.92,3884.08 ; v2@2819,3916 cw(c2819,3865.3) 2854.85,3901.15 ; v2(2819,3917) 2839,3917 ; v2@2819,3926 cw(c2819,3899.44) 2837.78,3918.22 ; v2@2828.29,3911.11 cw(c2839,3904.32) 2839,3917 ; v2@2828.29,3922.89 ccw(c2839,3929.68) 2839,3917 ; v2(3010,3460) 3020,3460 3060,3500 3060,3578 2899,3739 2899,3857 2839,3917 ; v2@3010,3461 ccw(c3010,3487.56) 3028.78,3468.78 ; v2@3010,3471 ccw(c3010,3521.7) 3045.85,3485.85